# Altium PCB SAMA5D27-SOM1-MFG-03.PcbDoc (part 3 of 6) (continued)
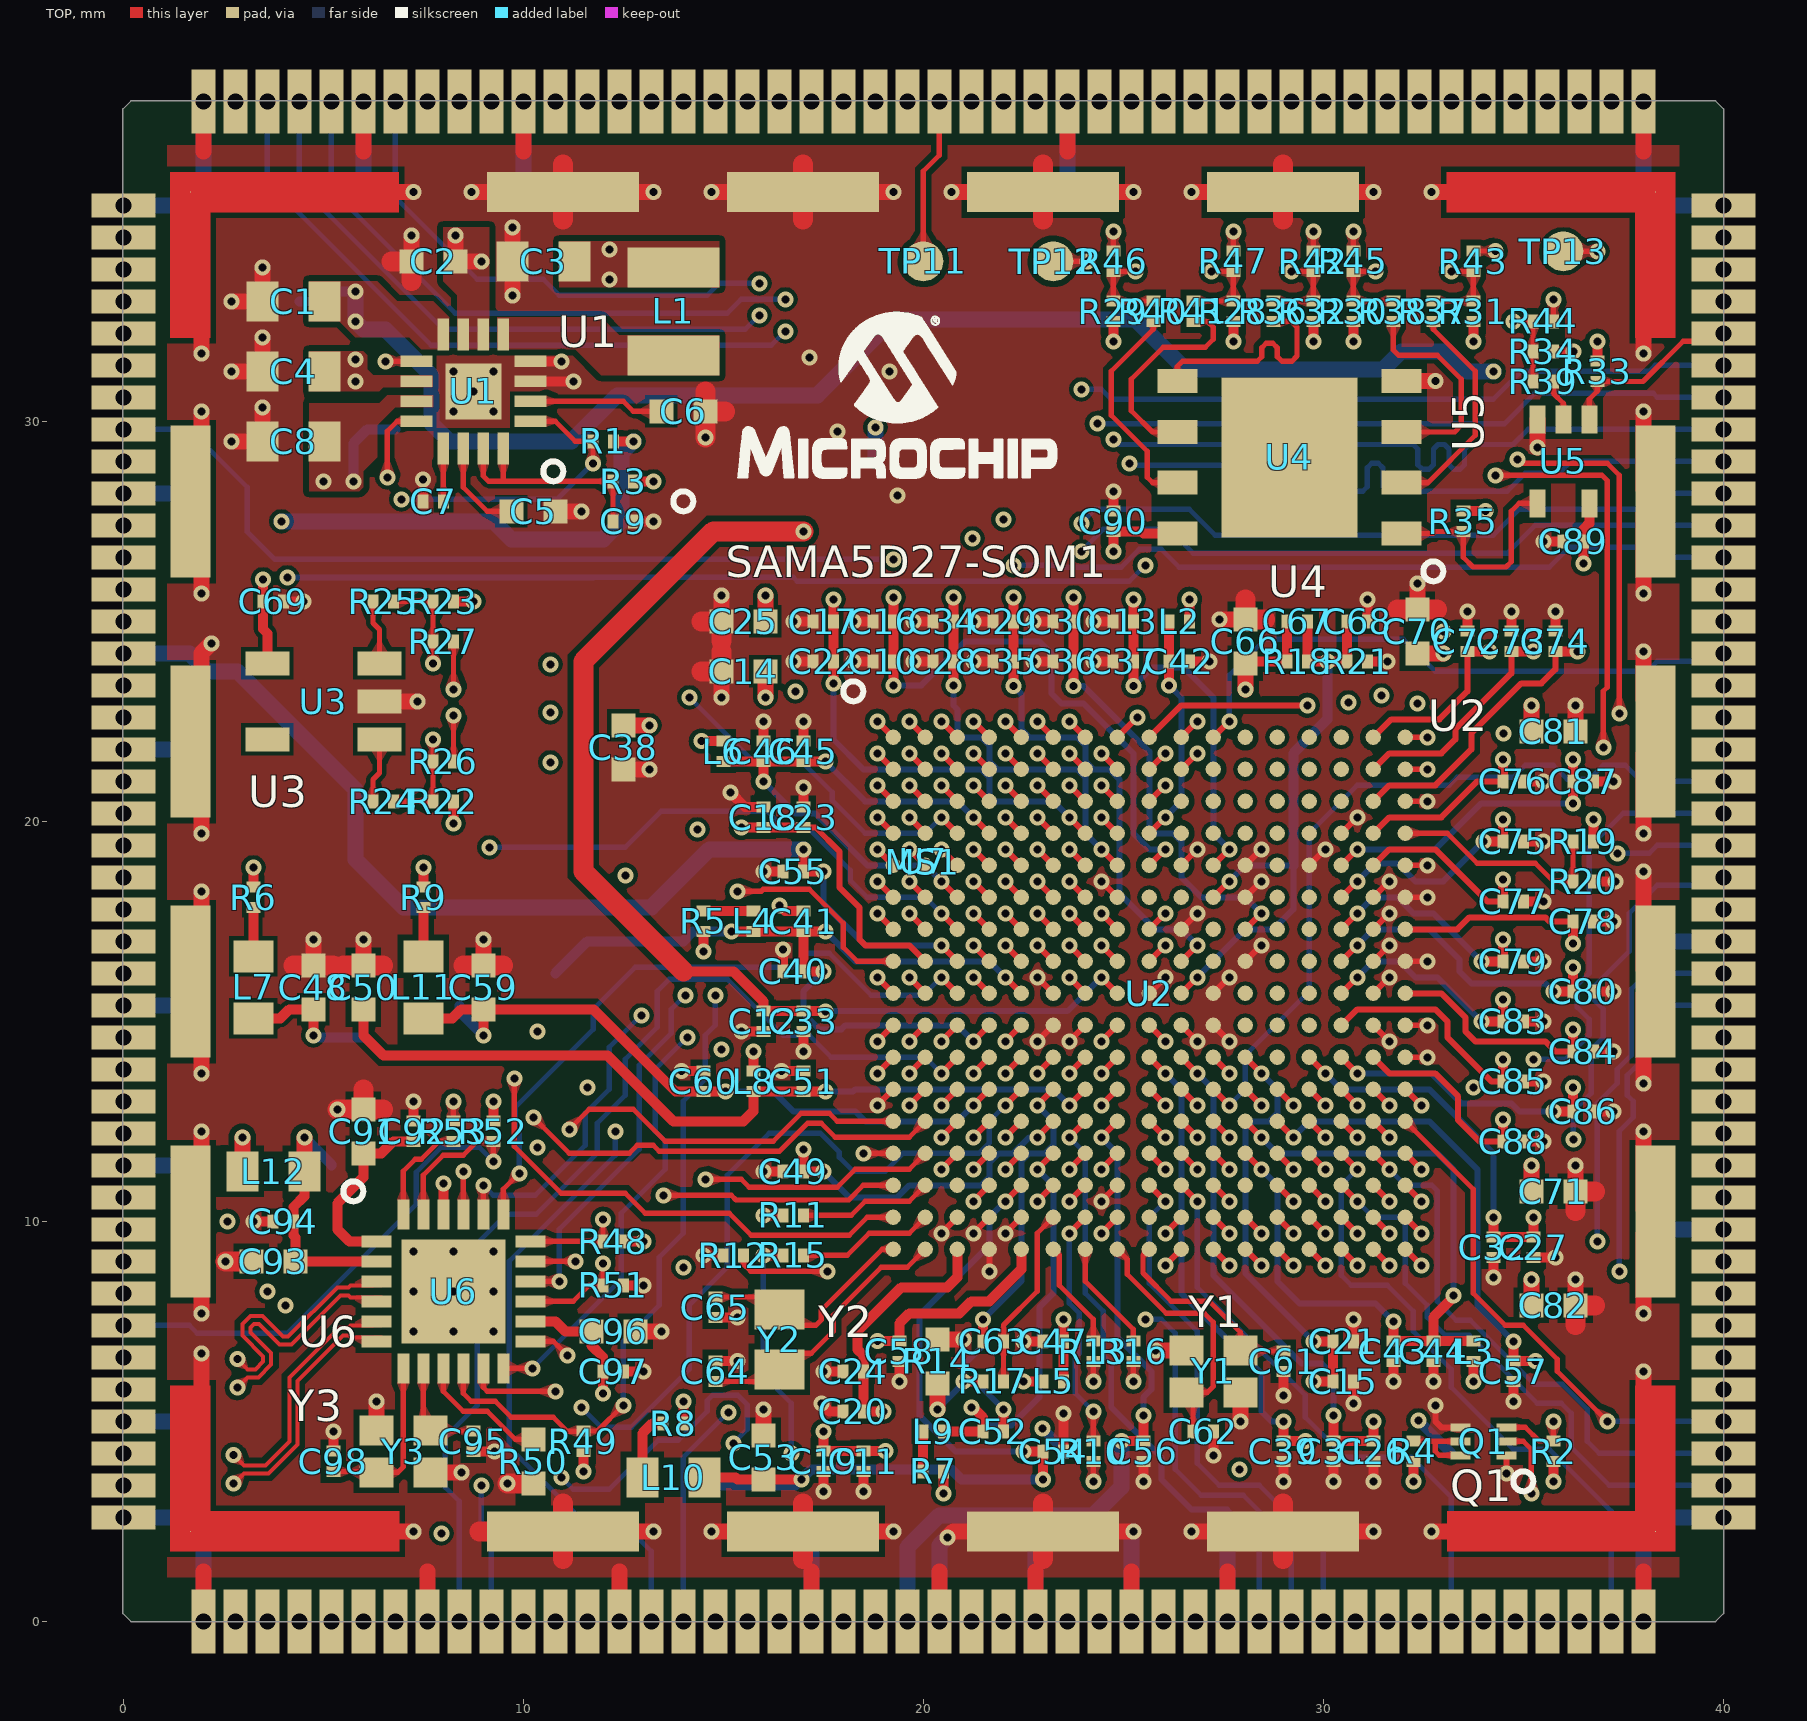
[diagram p0: TOP view]
## Nets (pads, with @x,y where several pads share a name; then routed paths per layer and width w, separated by ;. In a path a pad name is that pad's centre, name@x,y a point inside that pad or via, vN(x,y) a via of type N, cw(c..) or ccw(c..) an arc to the next point about the centre after c; other vN are vias at no path point) (continued)
  BOTTOM w0.25: v1(5.75,28.5) 5.75,29.45 6.1,29.8 TP1.1@6.8,29.8
  other v1: 5,28.5
VDDFUSE: C1.1 C57.2 TP5.1 U1.8 U2.N13 | length 77.9
  TOP w0.15: U2.N13@28.85,12.5 v1(29.25,12.1)
  TOP w0.25: v1(34.75,7) C57.2@34.75,6.505 v1(35.3,6.505)
  PWR w0.4: v1(34.25,31.25) 34.6,30.9 38.233,30.9 38.633,30.5 38.633,7.283 38.35,7 37.05,7 36.555,6.505 v1(35.3,6.505)
  BOTTOM w0.15: v1(29.25,12.1) 29.65,12.5 32.65,12.5 33.85,11.3 33.85,7.9 v1(34.75,7)
  BOTTOM w0.25: TP5.1@4.4,33 5.1,33 5.35,33.25 v1(5.8,33.25)
  BOTTOM w0.4: v1(5.8,33.25) v1(5.8,32.5) 6,32.3 6.55,32.3 7.7,31.15 7.7,29.95 8.15,29.5 11.2,29.5 12.35,30.65 17.35,30.65 19.25,32.55 25.3,32.55 26.55,31.3 31.5,31.3 31.95,31.75 33.1,31.75 33.6,31.25 v1(34.25,31.25)
VDDHSIC: C47.2 L5.2 TP4.1 U2.R7 | length 17
  TOP w0.15: v1(23.65,10.5) U2.R7@24.05,10.9
  TOP w0.25: L5.2@23.505,6 C47.2@23.505,7 v1(23.505,7.55)
  IN2 w0.15: v1(23.505,7.55) 23.505,8.755 24.05,9.3 24.05,10.1 v1(23.65,10.5)
  IN3 w0.25: v1(23.505,7.55) 24.7,7.55 25.2,8.05 27.9,8.05 29.4,6.55 29.9,6.55 30.5,5.95 31.1,5.95 32.025,5.025 v1(32.375,5.025)
  BOTTOM w0.25: v1(32.375,5.025) TP4.1@33.2,4.2
VDDIN_3V3: C2.2 C38.2 C69.2 C89.2 C90.2 C96.2 C97.2 L2.1 L3.1 L6.1 L12.2 R2.2 R3.1 R5.1 R6.1 R7.1 R9.1 R22.2 R23.2 R28.2 R29.2 R30.2 R31.2 R32.2 R33.1 R34.2 R35.2 R48.2 R49.2 R52.2 U1.6 U1.7 U3.4 U4.8 U5.5 U6.14 U7.16 U7.17 | length 25.9
  TOP w0.25: R6.1@3.25,18.355 v1(3.25,18.85) ; v1(3.495,26.05) 3.495,24.805 3.605,24.695 U3.4@3.605,23.95 ; R9.1@7.5,18.355 v1(7.5,18.85) ; v1(8.255,19.95) R22.2@8.255,20.5 ; R23.2@8.255,25.5 v1(8.75,25.5) ; R52.2@9.25,12.505 v1(9.25,13) ; U6.14@10.175,7.5 10.8,7.5 11.05,7.25 C96.2@11.7,7.25 11.7,6.9 11.995,6.605 v1(11.995,5.7) ; v1(11.5,3.75) R49.2@11.5,4.245 ; R48.2@12.505,9.5 v1(13,9.5) ; R3.1@12.755,28.5 v1(13.25,28.5) ; v1(14.45,22.005) L6.1@15,22.005 ; v1(14.5,16.75) R5.1@14.5,17.245 ; v1(20.505,3.2) R7.1@20.505,3.75 ; v1(24.75,26.75) C90.2@24.75,27.245 25.455,27.245 25.505,27.195 U4.8@26.35,27.195 ; v1(24.75,32) R29.2@24.75,32.495 ; L2.1@26.655,25 v1(26.655,25.55) ; v1(27.75,32) R28.2@27.75,32.495 ; v1(29.75,32) R32.2@29.75,32.495 ; v1(30.75,32) R30.2@30.75,32.495 ; R35.2@33.5,27.755 v1(34.05,27.755) ; v1(33.75,6) L3.1@33.75,6.495 ; v1(33.75,32) R31.2@33.75,32.495 ; v1(35.75,3.5) R2.2@35.75,3.995 ; R34.2@35.755,31.75 v1(36.25,31.75) ; v1(36.505,26.45) 36.505,27.305 36.65,27.45 U5.5@36.65,27.95 ; R33.1@36.85,31.505 v1(36.85,32)
  TOP w0.4: L12.2@2.975,11.25 v1(2.975,12.1) ; v1(8.3,34.65) C2.2@8.3,34 v1(8.95,34) ; C38.2@12.5,22.4 v1(13.15,22.4)
  PWR w0.4: U7.17@0,22.6 1.4,22.6 ; U7.16@0,23.4 1.4,23.4
VDDIODDR: C3.2 C4.2 C12.2 C13.2 C25.2 C26.2 C27.2 C28.2 C29.2 C30.2 C31.2 C32.2 C33.2 C34.2 C35.2 C36.2 C37.2 C66.2 C67.2 C70.2 C71.2 C72.2 C73.2 C74.2 C75.2 C76.2 C77.2 C78.2 C79.2 C80.2 C81.2 C82.2 C83.2 C84.2 C85.2 C86.2 C87.2 C88.2 L1.2 R18.2 R19.2 TP2.1 U1.9 U1.10 U2.A16 U2.B16 U2.C16 U2.D16 U2.E8 U2.E11 U2.E15 U2.E16 U2.F15 U2.G12 U2.G15 U2.G17 U2.H10 U2.H15 U2.J8 U2.J15 U2.J17 U2.K15 U2.L10 U2.L14 U2.L15 U2.L16 | length 196.2
  TOP w0.13: v1(6.55,31.5) U1.9@7.325,31.5
  TOP w0.15: v1(24.45,16.1) U2.J8@24.85,15.7 ; v1(24.45,19.3) U2.E8@24.85,18.9 ; U2.L10@26.45,14.1 v1(26.85,13.7) ; U2.H10@26.45,16.5 v1(26.85,16.9) ; U2.E11@27.25,18.9 v1(27.65,19.3) ; U2.G12@28.05,17.3 v1(28.45,17.7) ; U2.L14@29.65,14.1 v1(30.05,13.7) ; U2.L15@30.45,14.1 v1(30.85,13.7) ; U2.K15@30.45,14.9 30.85,15.3 32.8,15.3 33.1,15 33.1,14.6 34.2,13.5 C85.2@34.495,13.5 ; U2.J15@30.45,15.7 v1(30.85,16.1) ; U2.H15@30.45,16.5 v1(30.85,16.9) ; U2.G15@30.45,17.3 v1(30.85,17.7) ; U2.F15@30.45,18.1 v1(30.85,18.5) ; U2.E15@30.45,18.9 v1(30.85,19.3) ; U2.L16@31.25,14.1 31.65,13.7 32.795,13.7 33.373,13.123 33.373,12.528 33.9,12 C88.2@34.495,12 ; U2.E16@31.25,18.9 31.65,19.3 32.8,19.3 34.1,18 C77.2@34.495,18 ; U2.D16@31.25,19.7 31.65,20.1 32.95,20.1 33.85,21 C76.2@34.495,21 ; U2.C16@31.25,20.5 31.65,20.9 32.8,20.9 33.7,21.8 33.7,22.2 34.95,23.45 35.45,23.45 35.8,23.8 C74.2@35.8,24.245 ; U2.B16@31.25,21.3 31.65,21.7 32.95,21.7 33.3,22.05 33.3,22.3 34.7,23.7 C73.2@34.7,24.245 ; U2.A16@31.25,22.1 31.7,22.55 32.9,22.55 33.6,23.25 C72.2@33.6,24.245 ; U2.J17@32.05,15.7 32.95,15.7 33.55,15.1 33.55,14.75 33.8,14.5 35.55,14.5 35.8,14.25 C84.2@36.245,14.25 ; U2.G17@32.05,17.3 33.35,17.3 33.65,17.6 35.55,17.6 35.65,17.5 C78.2@36.245,17.5
  TOP w0.25: 14,16.25 15.25,16.25 16,15.5 C12.2@16,15.255 17.545,15.255 v1(17.55,15.25) ; v1(20.755,23.4) v1(20.755,25.6) ; v1(22.255,23.379) v1(22.255,25.6) ; v1(23.755,23.379) v1(23.755,25.6) ; v1(25.255,23.379) v1(25.255,25.55) ; C66.2@28.05,23.95 28.1,24 R18.2@29.095,24 C67.2@29.095,25 ; v1(30.25,5.15) C31.2@30.25,4.505 C26.2@31.25,4.505 v1(31.25,5) ; C72.2@33.6,24.245 v1(34.15,24.245) ; v1(33.95,15) C83.2@34.495,15 v1(34.495,15.55) ; v1(33.95,16.5) C79.2@34.495,16.5 v1(34.495,17.05) ; v1(34,19.5) C75.2@34.495,19.5 v1(34.495,20.05) ; v1(34.25,10.1) C32.2@34.25,9.605 C27.2@35.25,9.605 v1(35.25,10.1) ; C88.2@34.495,12 v1(34.495,12.55) ; C85.2@34.495,13.5 v1(34.495,14.05) ; C77.2@34.495,18 v1(34.495,18.55) ; C76.2@34.495,21 v1(34.495,21.55) ; C73.2@34.7,24.245 v1(35.25,24.245) ; v1(35.75,12.75) C86.2@36.245,12.75 v1(36.245,13.35) ; v1(35.75,15.75) C80.2@36.245,15.75 v1(36.245,16.35) ; C74.2@35.8,24.245 v1(36.35,24.245) ; C84.2@36.245,14.25 v1(36.245,14.8) ; v1(36.245,16.95) C78.2@36.245,17.5 ; v1(36.245,20.45) v1(36.245,21.55) ; R19.2@36.755,19.5 v1(36.755,20.05)
  TOP w0.4: C25.2@16.05,25 v1(16.05,25.65) ; v1(28.05,23.3) C66.2@28.05,23.95 ; C70.2@32.35,24.2 v1(33,24.2) ; C82.2@35.2,7.9 v1(35.2,8.55) ; C71.2@35.2,10.75 v1(35.2,11.4) ; C81.2@35.2,22.25 v1(35.2,22.9)
  TOP w0.5: 14,16.25 11.5,18.75 11.5,24 14.75,27.25 v1(17,27.25)
  IN2 w0.09: v1(6.55,31.5) 6.55,34.65 7.2,35.3 11.15,35.3 v1(12.15,34.3)
  BOTTOM w0.15: v1(17.55,15.25) 17.555,15.255 23.605,15.255 v1(24.45,16.1) ; v1(20.755,23.4) 20.755,22.895 20.85,22.8 20.85,22.25 21,22.1 21.45,22.1 21.65,21.9 21.65,21.5 21.85,21.3 23.85,21.3 24.05,21.1 24.05,19.7 v1(24.45,19.3) ; v1(22.255,23.379) 22.45,23.184 22.45,22.3 22.65,22.1 23.85,22.1 24.05,21.9 24.05,21.5 24.25,21.3 24.65,21.3 24.9,21.05 24.9,18.2 25.8,17.3 26.45,17.3 v1(26.85,16.9) ; v1(23.755,23.379) 24.013,23.379 25.65,21.741 25.65,19.85 25.8,19.7 26.25,19.7 26.45,19.5 26.45,18.6 26.95,18.1 28.05,18.1 v1(28.45,17.7) ; v1(25.255,23.379) 25.726,23.85 26.5,23.85 27.25,23.1 27.25,19.7 v1(27.65,19.3) ; v1(26.85,13.7) 27.25,13.3 27.25,8.65 29.45,6.45 29.95,6.45 30.25,6.15 v1(30.25,5.15) ; v1(30.05,13.7) 30.45,13.3 32.65,13.3 34.25,11.7 v1(34.25,10.1) ; v1(30.85,13.7) 32.7,13.7 33.45,12.95 34.7,12.95 34.9,12.75 v1(35.75,12.75) ; v1(30.85,16.1) 31.25,16.5 31.9,16.5 32.3,16.1 32.85,16.1 v1(33.95,15) ; v1(30.85,16.9) 31.25,17.3 32.65,17.3 33.4,16.55 33.4,16.25 33.55,16.1 33.7,15.95 34.495,15.95 35.55,15.95 v1(35.75,15.75) ; v1(30.85,17.7) 31.25,18.1 31.85,18.1 32.25,17.7 32.75,17.7 v1(33.95,16.5) ; v1(30.85,18.5) 31.25,18.9 31.3,18.95 31.85,18.95 32.3,18.5 33,18.5 v1(34,19.5) ; v1(30.85,19.3) 32.8,19.3 33.95,20.45 v1(36.245,20.45)
  BOTTOM w0.4: TP2.1@18.8,29 v1(18.8,29.85)
  other v1: 5.8,31 5.8,31.55 12.15,33.55
VDDIOP0: C45.2 C46.2 L6.2 U2.D4 U2.F3 | length 13.9
  TOP w0.15: v1(20.45,18.5) U2.F3@20.85,18.1 ; v1(21.25,20.1) U2.D4@21.65,19.7
  TOP w0.25: L6.2@15,21.495 C46.2@16,21.495 ; v1(16,21) C46.2@16,21.495 ; v1(17.55,21.495) C45.2@17,21.495 C46.2@16,21.495
  BOTTOM w0.15: v1(16,21) 16.8,20.2 17.3,20.2 18.6,18.9 20.05,18.9 v1(20.45,18.5) ; v1(17.55,21.495) 18.545,20.5 20.85,20.5 v1(21.25,20.1)
VDDIOP1: C43.2 C44.2 L3.2 U2.N12 U2.P12 | length 19.5
  TOP w0.15: U2.P12@28.05,11.7 v1(28.45,11.3) ; U2.N12@28.05,12.5 v1(28.45,12.1)
  TOP w0.25: v1(31.75,7.5) C43.2@31.75,7.005 C44.2@32.75,7.005 ; v1(33.25,8.15) 33.25,8.1 32.75,7.6 C44.2@32.75,7.005 ; L3.2@33.75,7.005 C44.2@32.75,7.005
  BOTTOM w0.15: v1(28.45,11.3) 28.85,10.9 28.85,8.5 29.4,7.95 31.3,7.95 v1(31.75,7.5) ; v1(28.45,12.1) 28.85,11.7 32.85,11.7 33.25,11.3 v1(33.25,8.15)
VDDIOP2: C42.2 L2.2 U2.D9 | length 5.8
  TOP w0.15: U2.D9@25.65,19.7 v1(26.05,20.1)
  TOP w0.25: v1(26.145,23.4) C42.2@26.145,24 L2.2@26.145,25
  BOTTOM w0.15: v1(26.05,20.1) 26.45,20.5 26.45,23.095 v1(26.145,23.4)
VDDISC: C55.2 U2.H3 U7.15 | length 27.1
  TOP w0.15: v1(20.45,16.9) U2.H3@20.85,16.5
  TOP w0.25: v1(17.005,19.3) C55.2@17.005,18.75 v1(17.5,18.75)
  BOTTOM w0.15: v1(17.5,18.75) 17.5,17.95 18.55,16.9 v1(20.45,16.9)
  BOTTOM w0.4: U7.15@0,24.2 1.65,24.2 2.1,23.75 2.85,23.75 5.8,20.8 5.8,19.05 7,17.85 13.2,17.85 14.65,19.3 v1(17.005,19.3)
VDDOSC: C48.2 C49.2 L7.2 TP6.1 U2.N6 | length 25.9
  TOP w0.15: v1(22.85,12.1) U2.N6@23.25,12.5
  TOP w0.25: L7.2@3.25,15.075 3.925,15.075 4.15,15.3 C48.2@4.75,15.3 v1(4.75,14.65) ; v1(17.005,11.8) C49.2@17.005,11.25 v1(17.5,11.25)
  IN3 w0.25: v1(4.75,14.65) 8.2,14.65 9.1,15.55 10.9,15.55 11.45,15 11.45,14.7 14.35,11.8 v1(17.005,11.8)
  BOTTOM w0.15: v1(17.5,11.25) 18.15,10.6 19.35,10.6 19.65,10.9 21.45,10.9 21.65,11.1 21.65,11.459 21.891,11.7 22.25,11.7 22.65,12.1 v1(22.85,12.1)
  BOTTOM w0.25: v1(4.75,14.65) 4.8,14.6 TP6.1@6,14.6
VDDPLLA: C53.2 C54.2 L10.2 TP7.1 U2.R5 | length 21.9
  TOP w0.15: v1(22.05,10.5) U2.R5@22.45,10.9
  TOP w0.25: L10.2@14.525,3.6 15.3,3.6 15.35,3.55 C53.2@16,3.55 v1(16.95,3.55) ; v1(22.5,4.25) C54.2@22.995,4.25 v1(22.995,3.55)
  BOTTOM w0.15: v1(22.05,10.5) 21.65,10.1 21.65,9.4 19.9,7.65 19.9,5.15 20.8,4.25 v1(22.5,4.25)
  BOTTOM w0.25: TP7.1@14.8,3.4 16.8,3.4 v1(16.95,3.55) 17.2,3.8 20.7,3.8 20.95,3.55 v1(22.995,3.55)
VDDSDHC: C56.2 U2.N8 U7.65 | length 18.3
  TOP w0.15: v1(24.45,12.1) U2.N8@24.85,12.5
  TOP w0.25: v1(24.95,4.505) C56.2@25.5,4.505 v1(25.5,5.15)
  BOTTOM w0.15: v1(24.45,12.1) 24.85,11.7 24.85,7.1 25.7,6.25 25.7,5.8 25.5,5.6 v1(25.5,5.15)
  BOTTOM w0.4: U7.65@19.6,0 19.6,1.85 20.4,2.65 24.25,2.65 24.95,3.35 v1(24.95,4.505)
VDDUTMIC: C50.2 C51.2 L8.2 U2.M7 | length 20.5
  TOP w0.15: v1(23.65,12.9) U2.M7@24.05,13.3
  TOP w0.25: C50.2@6,15.3 6,14.65 6.5,14.15 12.1,14.15 13.75,12.5 15.5,12.5 15.75,12.75 L8.2@15.75,13.245 C51.2@17,13.245 v1(17.55,13.245)
  BOTTOM w0.15: v1(17.55,13.245) 18.245,13.245 18.3,13.3 23.25,13.3 v1(23.65,12.9)
VDDUTMII: C52.2 L9.2 TP8.1 U2.P6 | length 13.4
  TOP w0.15: v1(22.85,11.3) U2.P6@23.25,11.7
  TOP w0.25: L9.2@20.505,4.75 C52.2@21.495,4.75 21.495,5.1 21.245,5.35 v1(21.2,5.35)
  IN3 w0.25: v1(21.2,5.35) 21.725,4.825 v1(22.975,4.825)
  BOTTOM w0.15: v1(21.2,5.35) 21.65,4.9 22.2,4.9 22.9,5.6 22.9,7.85 23.25,8.2 23.25,10.9 v1(22.85,11.3)
  BOTTOM w0.25: v1(22.975,4.825) TP8.1@23.6,4.2
WKUP: R11.1 U7.49 | length 16.9
  TOP w0.13: v1(16,10.15) R11.1@16.495,10.15
  IN3 w0.09: U7.49@6.8,0 6.8,1.25 7.15,1.6 8.5,1.6 9.5,2.6 10.9,2.6 13.125,4.825 13.125,5.725 14.5,7.1 15.4,7.1 16.4,8.1 16.4,9.75 v1(16,10.15)
pads on no net: U2.A12 U2.A13 U2.A14 U2.A15 U2.B11 U2.B12 U2.B13 U2.B14 U2.B15 U2.C10 U2.C11 U2.C12 U2.C13 U2.C14 U2.C15 U2.D10 U2.D11 U2.D12 U2.D13 U2.D14 U2.E13 U2.F9 U2.F10 U2.F13 U2.F14 U2.G11 U2.G13 U2.G14 U2.H11 U2.H13 U2.H14 U2.J12 U2.J13 U2.J14 U2.K12 U2.K13 U2.K14 U2.L13 U2.R3 U2.R12 U2.T9 U3.5 U4.9

## Polygon pours and split planes (outlines as drawn)
no net on Top Overlay (solid, remove dead copper, pour order 2220): 1.609,36.9 ccw(c1.05,36.9) 1.05,37.459 ccw(c1.05,36.9) 0.491,36.9 ccw(c1.05,36.9) 1.05,36.341 ccw(c1.05,36.9) 1.609,36.9
RFU1 on TOP "TOP-RFU1" (solid, remove dead copper, pour order 1622): 35 vertices, not listed, extent 23.658,33.813 24.116,34.187
RFU1 on TOP "TOP-RFU1 1" (solid, remove dead copper, pour order 1704): 32 vertices, not listed, extent 23.234,33.665 24.015,34.335
PD22/EEPROM_TWCK_PD22 on TOP "TOP-PD22/EEPROM_TWCK_PD22" (solid, remove dead copper, pour order 1646): 35 vertices, not listed, extent 8.068,22.208 8.442,22.666
PD22/EEPROM_TWCK_PD22 on TOP "TOP-PD22/EEPROM_TWCK_PD22 1" (solid, remove dead copper, pour order 1514): 29 vertices, not listed, extent 8.115,21.484 8.395,21.935
COMPN on TOP "TOP-COMPN" (solid, remove dead copper, pour order 1639): 35 vertices, not listed, extent 25.063,5.984 25.437,6.442
COMPN on TOP "TOP-COMPN 1" (solid, remove dead copper, pour order 1593): 26 vertices, not listed, extent 25.075,6.1 25.425,6.511
COMPP on TOP "TOP-COMPP" (solid, remove dead copper, pour order 1642): 35 vertices, not listed, extent 24.063,5.984 24.437,6.442
COMPP on TOP "TOP-COMPP 1" (solid, remove dead copper, pour order 1594): 26 vertices, not listed, extent 24.075,6.1 24.425,6.511
N475155 on TOP "TOP-N475155" (solid, remove dead copper, pour order 1497): 28 vertices, not listed, extent 36.105,19.092 36.385,19.516
N475155 on TOP "TOP-N475155 1" (solid, remove dead copper, pour order 1517): 29 vertices, not listed, extent 36.105,18.484 36.385,18.935
N475155 on TOP "TOP-N475155 2" (solid, remove dead copper, pour order 1583): 26 vertices, not listed, extent 35.85,18.325 36.261,18.675
N475155 on TOP "TOP-N475155 3" (solid, remove dead copper, pour order 1609): 36 vertices, not listed, extent 32.034,19.521 32.489,19.879
PIOBU2 on TOP "TOP-PIOBU2" (solid, remove dead copper, pour order 1632): 35 vertices, not listed, extent 14.534,10.863 14.992,11.237
PIOBU2 on TOP "TOP-PIOBU2 1" (solid, remove dead copper, pour order 1606): 36 vertices, not listed, extent 19.72,11.37 20.132,11.782
PD26/AD7 on TOP "TOP-PD26/AD7" (solid, remove dead copper, pour order 1626): 35 vertices, not listed, extent 13.484,10.463 13.942,10.837
PD26/AD7 on TOP "TOP-PD26/AD7 1" (solid, remove dead copper, pour order 1611): 36 vertices, not listed, extent 18.811,10.721 19.266,11.079
WKUP on TOP "TOP-WKUP" (solid, remove dead copper, pour order 1649): 35 vertices, not listed, extent 15.984,9.963 16.442,10.337
WKUP on TOP "TOP-WKUP 1" (solid, remove dead copper, pour order 1574): 26 vertices, not listed, extent 16.1,9.975 16.511,10.325
EN_FUSE on TOP "TOP-EN_FUSE" (solid, remove dead copper, pour order 1662): 29 vertices, not listed, extent 9.36,28.665 9.64,29.341
EN_FUSE on TOP "TOP-EN_FUSE 1" (solid, remove dead copper, pour order 1658): 29 vertices, not listed, extent 8.86,28.665 9.14,29.341
EN_FUSE on TOP "TOP-EN_FUSE 2" (solid, remove dead copper, pour order 1498): 28 vertices, not listed, extent 12.105,27.484 12.385,27.908
EN_FUSE on TOP "TOP-EN_FUSE 3" (solid, remove dead copper, pour order 1534): 29 vertices, not listed, extent 12.105,28.065 12.385,28.516
EN_FUSE on TOP "TOP-EN_FUSE 4" (solid, remove dead copper, pour order 1575): 26 vertices, not listed, extent 11.85,28.325 12.261,28.675
SHDN on TOP "TOP-SHDN" (solid, remove dead copper, pour order 1621): 35 vertices, not listed, extent 35.013,3.184 35.387,3.642
SHDN on TOP "TOP-SHDN 1" (solid, remove dead copper, pour order 1487): 28 vertices, not listed, extent 34.559,4.4 35.02,4.6
SHDN on TOP "TOP-SHDN 2" (solid, remove dead copper, pour order 1628): 35 vertices, not listed, extent 15.984,8.963 16.442,9.337
SHDN on TOP "TOP-SHDN 3" (solid, remove dead copper, pour order 1563): 26 vertices, not listed, extent 16.1,8.975 16.511,9.325
N96789 on TOP "TOP-N96789" (solid, remove dead copper, pour order 1488): 28 vertices, not listed, extent 32.98,4.4 33.441,4.6
N96789 on TOP "TOP-N96789 1" (solid, remove dead copper, pour order 1512): 29 vertices, not listed, extent 32.234,4.365 32.683,4.645
N96789 on TOP "TOP-N96789 2" (solid, remove dead copper, pour order 1486): 28 vertices, not listed, extent 32.98,4.05 33.441,4.25
VDDFUSE on TOP "TOP-VDDFUSE" (solid, remove dead copper, pour order 1720): 8.15,32.6 8.15,31.8 7.45,31.8 7.15,32.1 5.8,32.1 5.4,32.5 4.65,32.5 4.65,33.5 6.35,33.5 6.85,33 7.75,33 8.15,32.6
N60658 on TOP "TOP-N60658" (solid, remove dead copper, pour order 1723): 24 vertices, not listed, extent 9.35,31.15 14.9,32.6
NRST on TOP "TOP-NRST" (solid, remove dead copper, pour order 1627): 35 vertices, not listed, extent 8.063,12.558 8.437,13.016
NRST on TOP "TOP-NRST 1" (solid, remove dead copper, pour order 1588): 26 vertices, not listed, extent 8.075,12.489 8.425,12.9
NRST on TOP "TOP-NRST 2" (solid, remove dead copper, pour order 1637): 35 vertices, not listed, extent 6.413,28.584 6.787,29.042
NRST on TOP "TOP-NRST 3" (solid, remove dead copper, pour order 1555): 22 vertices, not listed, extent 6.785,29.868 7.341,30.132
NRST on TOP "TOP-NRST 4" (solid, remove dead copper, pour order 1595): 26 vertices, not listed, extent 24.075,3.6 24.425,4.011
NRST on TOP "TOP-NRST 5" (solid, remove dead copper, pour order 1641): 35 vertices, not listed, extent 24.063,3.484 24.437,3.942
NRST on TOP "TOP-NRST 6" (solid, remove dead copper, pour order 1485): 28 vertices, not listed, extent 34.559,4.75 35.02,4.95
NRST on TOP "TOP-NRST 7" (solid, remove dead copper, pour order 1625): 35 vertices, not listed, extent 35.563,4.558 35.937,5.016
VDDCORE on TOP "TOP-VDDCORE" (solid, remove dead copper, pour order 1721): 4.65,28.25 4.65,30.45 6.4,30.45 6.6,30.65 7.75,30.65 7.75,30.35 6.8,30.35 6.35,29.9 6.35,29.1 6,28.75 6,28.35 5.9,28.25 4.65,28.25
N60152 on TOP "TOP-N60152" (solid, remove dead copper, pour order 1661): 29 vertices, not listed, extent 7.86,28.665 8.14,29.341
N60152 on TOP "TOP-N60152 1" (solid, remove dead copper, pour order 1511): 29 vertices, not listed, extent 7.865,27.984 8.145,28.433
RFU2 on TOP "TOP-RFU2" (solid, remove dead copper, pour order 1703): 32 vertices, not listed, extent 19.665,33.984 20.335,34.765
N60145 on TOP "TOP-N60145" (solid, remove dead copper, pour order 1656): 29 vertices, not listed, extent 10.159,30.36 10.835,30.64
N60145 on TOP "TOP-N60145 1" (solid, remove dead copper, pour order 1684): 27 vertices, not listed, extent 12.885,30.046 13.466,30.454
RFU0 on TOP "TOP-RFU0" (solid, remove dead copper, pour order 1648): 35 vertices, not listed, extent 36.408,34.063 36.866,34.437
RFU0 on TOP "TOP-RFU0 1" (solid, remove dead copper, pour order 1702): 32 vertices, not listed, extent 35.984,33.915 36.765,34.585
N60136 on TOP "TOP-N60136" (solid, remove dead copper, pour order 1685): 27 vertices, not listed, extent 9.135,27.546 9.716,27.954
N60136 on TOP "TOP-N60136 1" (solid, remove dead copper, pour order 1660): 29 vertices, not listed, extent 8.36,28.665 8.64,29.341
ETH_LED0 on TOP "TOP-ETH_LED0" (solid, remove dead copper, pour order 1585): 26 vertices, not listed, extent 9.075,11.6 9.425,12.011
ETH_LED0 on TOP "TOP-ETH_LED0 1" (solid, remove dead copper, pour order 1513): 29 vertices, not listed, extent 8.817,11.855 9.266,12.135
ETH_LED0 on TOP "TOP-ETH_LED0 2" (solid, remove dead copper, pour order 1672): 28 vertices, not listed, extent 7.35,10.159 7.65,10.806
EEPROM_TWD_PD21 on TOP "TOP-EEPROM_TWD_PD21" (solid, remove dead copper, pour order 1596): 33 vertices, not listed, extent 7.565,23.934 7.925,24.329
EEPROM_TWD_PD21 on TOP "TOP-EEPROM_TWD_PD21 1" (solid, remove dead copper, pour order 1507): 28 vertices, not listed, extent 7.605,24.484 7.885,24.908
EEPROM_TWD_PD21 on TOP "TOP-EEPROM_TWD_PD21 2" (solid, remove dead copper, pour order 1547): 29 vertices, not listed, extent 7.605,24.065 7.885,24.516
EEPROM_TWD_PD21 on TOP "TOP-EEPROM_TWD_PD21 3" (solid, remove dead copper, pour order 1579): 26 vertices, not listed, extent 6.739,25.325 7.15,25.675
EEPROM_TWD_PD21 on TOP "TOP-EEPROM_TWD_PD21 4" (solid, remove dead copper, pour order 1541): 29 vertices, not listed, extent 7.605,25.065 7.885,25.516
EEPROM_TWD_PD21 on TOP "TOP-EEPROM_TWD_PD21 5" (solid, remove dead copper, pour order 1590): 26 vertices, not listed, extent 7.35,25.325 7.761,25.675
EEPROM_TWD_PD21 on TOP "TOP-EEPROM_TWD_PD21 6" (solid, remove dead copper, pour order 1618): 35 vertices, not listed, extent 18.484,11.513 18.942,11.887
EEPROM_TWD_PD21 on TOP "TOP-EEPROM_TWD_PD21 7" (solid, remove dead copper, pour order 1612): 36 vertices, not listed, extent 18.811,11.521 19.266,11.879
EEPROM_TWCK_PD22 on TOP "TOP-EEPROM_TWCK_PD22" (solid, remove dead copper, pour order 1597): 33 vertices, not listed, extent 7.565,21.671 7.925,22.066
EEPROM_TWCK_PD22 on TOP "TOP-EEPROM_TWCK_PD22 1" (solid, remove dead copper, pour order 1506): 28 vertices, not listed, extent 7.605,21.092 7.885,21.516
EEPROM_TWCK_PD22 on TOP "TOP-EEPROM_TWCK_PD22 2" (solid, remove dead copper, pour order 1543): 29 vertices, not listed, extent 7.605,21.484 7.885,21.935
EEPROM_TWCK_PD22 on TOP "TOP-EEPROM_TWCK_PD22 3" (solid, remove dead copper, pour order 1565): 26 vertices, not listed, extent 6.739,20.325 7.15,20.675
EEPROM_TWCK_PD22 on TOP "TOP-EEPROM_TWCK_PD22 4" (solid, remove dead copper, pour order 1544): 29 vertices, not listed, extent 7.605,20.484 7.885,20.935
EEPROM_TWCK_PD22 on TOP "TOP-EEPROM_TWCK_PD22 5" (solid, remove dead copper, pour order 1573): 26 vertices, not listed, extent 7.35,20.325 7.761,20.675
PD21/EEPROM_TWD_PD21 on TOP "TOP-PD21/EEPROM_TWD_PD21" (solid, remove dead copper, pour order 1655): 35 vertices, not listed, extent 8.063,23.284 8.437,23.755
PD21/EEPROM_TWD_PD21 on TOP "TOP-PD21/EEPROM_TWD_PD21 1" (solid, remove dead copper, pour order 1518): 29 vertices, not listed, extent 8.115,24.065 8.395,24.516
N84773 on TOP "TOP-N84773" (solid, remove dead copper, pour order 1496): 28 vertices, not listed, extent 7.842,11.855 8.266,12.135
N84773 on TOP "TOP-N84773 1" (solid, remove dead copper, pour order 1677): 28 vertices, not listed, extent 6.85,10.159 7.15,10.806
LOWQ# on TOP "TOP-LOWQ#" (solid, remove dead copper, pour order 1657): 29 vertices, not listed, extent 10.159,29.86 10.835,30.14
LOWQ# on TOP "TOP-LOWQ# 1" (solid, remove dead copper, pour order 1531): 29 vertices, not listed, extent 11.605,29.065 11.885,29.516
LOWQ# on TOP "TOP-LOWQ# 2" (solid, remove dead copper, pour order 1620): 35 vertices, not listed, extent 11.558,28.934 11.932,29.392
PD05/TWCK1/NCS1/PTCROW2 on TOP "TOP-PD05/TWCK1/NCS1/PTCROW2" (solid, remove dead copper, pour order 1617): 35 vertices, not listed, extent 15.334,18.063 15.792,18.437
PD05/TWCK1/NCS1/PTCROW2 on TOP "TOP-PD05/TWCK1/NCS1/PTCROW2 1" (solid, remove dead copper, pour order 1494): 32 vertices, not listed, extent 18.923,16.333 19.266,16.667
N75249 on TOP "TOP-N75249" (solid, remove dead copper, pour order 1686): 27 vertices, not listed, extent 6.201,21.485 6.609,22.066
N75249 on TOP "TOP-N75249 1" (solid, remove dead copper, pour order 1542): 29 vertices, not listed, extent 6.105,20.484 6.385,20.935
PD23/DBGU_RXD on TOP "TOP-PD23/DBGU_RXD" (solid, remove dead copper, pour order 1629): 35 vertices, not listed, extent 9.588,13.133 9.962,13.591
PD23/DBGU_RXD on TOP "TOP-PD23/DBGU_RXD 1" (solid, remove dead copper, pour order 1610): 36 vertices, not listed, extent 18.811,9.921 19.266,10.279
N75160 on TOP "TOP-N75160" (solid, remove dead copper, pour order 1687): 27 vertices, not listed, extent 6.201,23.934 6.609,24.515
N75160 on TOP "TOP-N75160 1" (solid, remove dead copper, pour order 1545): 29 vertices, not listed, extent 6.105,25.065 6.385,25.516
ETH_XO on TOP "TOP-ETH_XO" (solid, remove dead copper, pour order 1546): 29 vertices, not listed, extent 5.234,3.605 5.685,3.885
ETH_XO on TOP "TOP-ETH_XO 1" (solid, remove dead copper, pour order 1674): 28 vertices, not listed, extent 6.85,5.694 7.15,6.341
ETH_XO on TOP "TOP-ETH_XO 2" (solid, remove dead copper, pour order 1693): 27 vertices, not listed, extent 5.635,3.541 6.341,3.934
ETH_XO on TOP "TOP-ETH_XO 3" (solid, remove dead copper, pour order 1663): 24 vertices, not listed, extent 6.309,3.567 6.935,3.883
ETH_XI on TOP "TOP-ETH_XI" (solid, remove dead copper, pour order 1527): 29 vertices, not listed, extent 8.315,4.615 8.766,4.895
ETH_XI on TOP "TOP-ETH_XI 1" (solid, remove dead copper, pour order 1668): 28 vertices, not listed, extent 7.35,5.694 7.65,6.341
ETH_XI on TOP "TOP-ETH_XI 2" (solid, remove dead copper, pour order 1682): 30 vertices, not listed, extent 7.384,4.76 7.704,5.415
ETH_XI on TOP "TOP-ETH_XI 3" (solid, remove dead copper, pour order 1692): 27 vertices, not listed, extent 7.659,4.566 8.365,4.959
RXD on TOP "TOP-RXD" (solid, remove dead copper, pour order 1652): 35 vertices, not listed, extent 10.169,12.269 10.581,12.681
RXD on TOP "TOP-RXD 1" (solid, remove dead copper, pour order 1602): 36 vertices, not listed, extent 19.72,12.17 20.132,12.582
QSPI_CS_PB06 on TOP "TOP-QSPI_CS_PB06" (solid, remove dead copper, pour order 1539): 29 vertices, not listed, extent 35.105,32.065 35.385,32.516

## Text inside footprints (layer, text, board x,y; h text height)
U2: PIN_NUMBER "R11" at 24.456,10.9 h0.64; PIN_NUMBER "U17" at 29.256,9.3 h0.64; PIN_NUMBER "U13" at 26.056,9.3 h0.64; PIN_NUMBER "N7" at 21.764,12.5 h0.64; PIN_NUMBER "U12" at 25.256,9.3 h0.64; PIN_NUMBER "T12" at 25.256,10.1 h0.64; PIN_NUMBER "U16" at 28.456,9.3 h0.64; PIN_NUMBER "U15" at 27.656,9.3 h0.64; PIN_NUMBER "T13" at 26.056,10.1 h0.64; PIN_NUMBER "U14" at 26.856,9.3 h0.64; PIN_NUMBER "T11" at 24.456,10.1 h0.64; PIN_NUMBER "M6" at 20.964,13.3 h0.64; PIN_NUMBER "U11" at 24.456,9.3 h0.64; PIN_NUMBER "P6" at 20.964,11.7 h0.64; PIN_NUMBER "N8" at 22.564,12.5 h0.64; PIN_NUMBER "D17" at 29.256,19.7 h0.64; PIN_NUMBER "P2" at 17.764,11.7 h0.64; PIN_NUMBER "N6" at 20.964,12.5 h0.64; PIN_NUMBER "N3" at 18.564,12.5 h0.64; PIN_NUMBER "N5" at 20.164,12.5 h0.64; PIN_NUMBER "M5" at 20.164,13.3 h0.64; PIN_NUMBER "N4" at 19.364,12.5 h0.64; PIN_NUMBER "P4" at 19.364,11.7 h0.64; PIN_NUMBER "M3" at 18.564,13.3 h0.64; PIN_NUMBER "R1" at 16.964,10.9 h0.64; PIN_NUMBER "L8" at 22.564,14.1 h0.64; PIN_NUMBER "L2" at 17.764,14.1 h0.64; PIN_NUMBER "M9" at 23.364,13.3 h0.64; PIN_NUMBER "M2" at 17.764,13.3 h0.64; PIN_NUMBER "L3" at 18.564,14.1 h0.64; PIN_NUMBER "L7" at 21.764,14.1 h0.64; PIN_NUMBER "M17" at 29.256,13.3 h0.64; PIN_NUMBER "T8" at 22.564,10.1 h0.64; PIN_NUMBER "D9" at 23.364,19.7 h0.64; PIN_NUMBER "P12" at 25.256,11.7 h0.64; PIN_NUMBER "N12" at 25.256,12.5 h0.64; PIN_NUMBER "U10" at 23.656,9.3 h0.64; PIN_NUMBER "D4" at 19.364,19.7 h0.64; PIN_NUMBER "F3" at 18.564,18.1 h0.64; PIN_NUMBER "N13" at 26.056,12.5 h0.64; PIN_NUMBER "T10" at 23.656,10.1 h0.64; PIN_NUMBER "P7" at 21.764,11.7 h0.64; PIN_NUMBER "U3" at 18.564,9.3 h0.64; PIN_NUMBER "H2" at 17.764,16.5 h0.64; PIN_NUMBER "D7" at 21.764,19.7 h0.64; PIN_NUMBER "E9" at 23.364,18.9 h0.64; PIN_NUMBER "L12" at 25.256,14.1 h0.64; PIN_NUMBER "M13" at 26.056,13.3 h0.64; PIN_NUMBER "M11" at 24.456,13.3 h0.64; PIN_NUMBER "P9" at 23.364,11.7 h0.64; PIN_NUMBER "B7" at 21.764,21.3 h0.64; PIN_NUMBER "R15" at 27.656,10.9 h0.64; PIN_NUMBER "N16" at 28.456,12.5 h0.64; PIN_NUMBER "P1" at 16.964,11.7 h0.64; PIN_NUMBER "R14" at 26.856,10.9 h0.64; PIN_NUMBER "R13" at 26.056,10.9 h0.64; PIN_NUMBER "L6" at 20.964,14.1 h0.64; PIN_NUMBER "T16" at 28.456,10.1 h0.64; PIN_NUMBER "T15" at 27.656,10.1 h0.64; PIN_NUMBER "F7" at 21.764,18.1 h0.64; PIN_NUMBER "U5" at 20.164,9.3 h0.64; PIN_NUMBER "B9" at 23.364,21.3 h0.64; PIN_NUMBER "P3" at 18.564,11.7 h0.64; PIN_NUMBER "T17" at 29.256,10.1 h0.64; PIN_NUMBER "F5" at 20.164,18.1 h0.64; PIN_NUMBER "P10" at 23.656,11.7 h0.64; PIN_NUMBER "B10" at 23.656,21.3 h0.64; PIN_NUMBER "P13" at 26.056,11.7 h0.64; PIN_NUMBER "H7" at 21.764,16.5 h0.64; PIN_NUMBER "C7" at 21.764,20.5 h0.64; PIN_NUMBER "H1" at 16.964,16.5 h0.64; PIN_NUMBER "F6" at 20.964,18.1 h0.64; PIN_NUMBER "J1" at 16.964,15.7 h0.64; PIN_NUMBER "D8" at 22.564,19.7 h0.64; PIN_NUMBER "R16" at 28.456,10.9 h0.64; PIN_NUMBER "T1" at 16.964,10.1 h0.64; PIN_NUMBER "P14" at 26.856,11.7 h0.64; PIN_NUMBER "L4" at 19.364,14.1 h0.64; PIN_NUMBER "L5" at 20.164,14.1 h0.64; PIN_NUMBER "T14" at 26.856,10.1 h0.64; PIN_NUMBER "C8" at 22.564,20.5 h0.64; PIN_NUMBER "K3" at 18.564,14.9 h0.64; PIN_NUMBER "E6" at 20.964,18.9 h0.64; PIN_NUMBER "H3" at 18.564,16.5 h0.64; PIN_NUMBER "J2" at 17.764,15.7 h0.64; PIN_NUMBER "P17" at 29.256,11.7 h0.64; PIN_NUMBER "H6" at 20.964,16.5 h0.64; PIN_NUMBER "R17" at 29.256,10.9 h0.64; PIN_NUMBER "B8" at 22.564,21.3 h0.64; PIN_NUMBER "N2" at 17.764,12.5 h0.64; PIN_NUMBER "E7" at 21.764,18.9 h0.64; PIN_NUMBER "D1" at 16.964,19.7 h0.64; PIN_NUMBER "G9" at 23.364,17.3 h0.64; PIN_NUMBER "A11" at 24.456,22.1 h0.64; PIN_NUMBER "C1" at 16.964,20.5 h0.64; PIN_NUMBER "N14" at 26.856,12.5 h0.64; PIN_NUMBER "G6" at 20.964,17.3 h0.64; PIN_NUMBER "G2" at 17.764,17.3 h0.64; PIN_NUMBER "A1" at 16.964,22.1 h0.64; PIN_NUMBER "B1" at 16.964,21.3 h0.64; PIN_NUMBER "A9" at 23.364,22.1 h0.64; PIN_NUMBER "G5" at 20.164,17.3 h0.64; PIN_NUMBER "F1" at 16.964,18.1 h0.64; PIN_NUMBER "G4" at 19.364,17.3 h0.64; PIN_NUMBER "A2" at 17.764,22.1 h0.64; PIN_NUMBER "H4" at 19.364,16.5 h0.64; PIN_NUMBER "H8" at 22.564,16.5 h0.64; PIN_NUMBER "H9" at 23.364,16.5 h0.64; PIN_NUMBER "B2" at 17.764,21.3 h0.64; PIN_NUMBER "G1" at 16.964,17.3 h0.64; PIN_NUMBER "E1" at 16.964,18.9 h0.64; PIN_NUMBER "U4" at 19.364,9.3 h0.64; PIN_NUMBER "T3" at 18.564,10.1 h0.64; PIN_NUMBER "T4" at 19.364,10.1 h0.64; PIN_NUMBER "T5" at 20.164,10.1 h0.64; PIN_NUMBER "R6" at 20.964,10.9 h0.64; PIN_NUMBER "M1" at 16.964,13.3 h0.64; PIN_NUMBER "P5" at 20.164,11.7 h0.64; PIN_NUMBER "K6" at 20.964,14.9 h0.64; PIN_NUMBER "J6" at 20.964,15.7 h0.64; PIN_NUMBER "J11" at 24.456,15.7 h0.64; PIN_NUMBER "K7" at 21.764,14.9 h0.64; PIN_NUMBER "K11" at 24.456,14.9 h0.64; PIN_NUMBER "J9" at 23.364,15.7 h0.64; PIN_NUMBER "K10" at 23.656,14.9 h0.64; PIN_NUMBER "M12" at 25.256,13.3 h0.64; PIN_NUMBER "P11" at 24.456,11.7 h0.64; PIN_NUMBER "R8" at 22.564,10.9 h0.64; PIN_NUMBER "H17" at 29.256,16.5 h0.64; PIN_NUMBER "L17" at 29.256,14.1 h0.64; PIN_NUMBER "J16" at 28.456,15.7 h0.64; PIN_NUMBER "K16" at 28.456,14.9 h0.64; PIN_NUMBER "K17" at 29.256,14.9 h0.64; PIN_NUMBER "M14" at 26.856,13.3 h0.64; PIN_NUMBER "D6" at 20.964,19.7 h0.64; PIN_NUMBER "E3" at 18.564,18.9 h0.64; PIN_NUMBER "F2" at 17.764,18.1 h0.64; PIN_NUMBER "H5" at 20.164,16.5 h0.64; PIN_NUMBER "E12" at 25.256,18.9 h0.64; PIN_NUMBER "F12" at 25.256,18.1 h0.64; PIN_NUMBER "E10" at 23.656,18.9 h0.64; PIN_NUMBER "F8" at 22.564,18.1 h0.64; PIN_NUMBER "G10" at 23.656,17.3 h0.64; PIN_NUMBER "H12" at 25.256,16.5 h0.64; PIN_NUMBER "A17" at 29.256,22.1 h0.64; PIN_NUMBER "B17" at 29.256,21.3 h0.64; PIN_NUMBER "C17" at 29.256,20.5 h0.64; PIN_NUMBER "D15" at 27.656,19.7 h0.64; PIN_NUMBER "E14" at 26.856,18.9 h0.64; PIN_NUMBER "F17" at 29.256,18.1 h0.64; PIN_NUMBER "E17" at 29.256,18.9 h0.64; PIN_NUMBER "F16" at 28.456,18.1 h0.64; PIN_NUMBER "G16" at 28.456,17.3 h0.64; PIN_NUMBER "H16" at 28.456,16.5 h0.64; PIN_NUMBER "M8" at 22.564,13.3 h0.64; PIN_NUMBER "J7" at 21.764,15.7 h0.64; PIN_NUMBER "K1" at 16.964,14.9 h0.64; PIN_NUMBER "K2" at 17.764,14.9 h0.64; PIN_NUMBER "K9" at 23.364,14.9 h0.64; PIN_NUMBER "N1" at 16.964,12.5 h0.64; PIN_NUMBER "K5" at 20.164,14.9 h0.64; PIN_NUMBER "J3" at 18.564,15.7 h0.64; PIN_NUMBER "K8" at 22.564,14.9 h0.64; PIN_NUMBER "L1" at 16.964,14.1 h0.64; PIN_NUMBER "N11" at 24.456,12.5 h0.64; PIN_NUMBER "D5" at 20.164,19.7 h0.64; PIN_NUMBER "E5" at 20.164,18.9 h0.64; PIN_NUMBER "C6" at 20.964,20.5 h0.64; PIN_NUMBER "A8" at 22.564,22.1 h0.64; PIN_NUMBER "J4" at 19.364,15.7 h0.64; PIN_NUMBER "J10" at 23.656,15.7 h0.64; PIN_NUMBER "F11" at 24.456,18.1 h0.64; PIN_NUMBER "A10" at 23.656,22.1 h0.64; PIN_NUMBER "U8" at 22.564,9.3 h0.64; PIN_NUMBER "T6" at 20.964,10.1 h0.64; PIN_NUMBER "R4" at 19.364,10.9 h0.64; PIN_NUMBER "J8" at 22.564,15.7 h0.64; PIN_NUMBER "L10" at 23.656,14.1 h0.64; PIN_NUMBER "J15" at 27.656,15.7 h0.64; PIN_NUMBER "J17" at 29.256,15.7 h0.64; PIN_NUMBER "L14" at 26.856,14.1 h0.64; PIN_NUMBER "L15" at 27.656,14.1 h0.64; PIN_NUMBER "K15" at 27.656,14.9 h0.64; PIN_NUMBER "L16" at 28.456,14.1 h0.64; PIN_NUMBER "G15" at 27.656,17.3 h0.64; PIN_NUMBER "H15" at 27.656,16.5 h0.64; PIN_NUMBER "F15" at 27.656,18.1 h0.64; PIN_NUMBER "E15" at 27.656,18.9 h0.64; PIN_NUMBER "G17" at 29.256,17.3 h0.64; PIN_NUMBER "D16" at 28.456,19.7 h0.64; PIN_NUMBER "E16" at 28.456,18.9 h0.64; PIN_NUMBER "E8" at 22.564,18.9 h0.64; PIN_NUMBER "H10" at 23.656,16.5 h0.64; PIN_NUMBER "G12" at 25.256,17.3 h0.64; PIN_NUMBER "E11" at 24.456,18.9 h0.64; PIN_NUMBER "A16" at 28.456,22.1 h0.64; PIN_NUMBER "C16" at 28.456,20.5 h0.64; PIN_NUMBER "B16" at 28.456,21.3 h0.64; PIN_NUMBER "T2" at 17.764,10.1 h0.64; PIN_NUMBER "R2" at 17.764,10.9 h0.64; PIN_NUMBER "T7" at 21.764,10.1 h0.64; PIN_NUMBER "U7" at 21.764,9.3 h0.64; PIN_NUMBER "U6" at 20.964,9.3 h0.64; PIN_NUMBER "U1" at 16.964,9.3 h0.64; PIN_NUMBER "U9" at 23.364,9.3 h0.64; PIN_NUMBER "N10" at 23.656,12.5 h0.64; PIN_NUMBER "G7" at 21.764,17.3 h0.64; PIN_NUMBER "N15" at 27.656,12.5 h0.64; PIN_NUMBER "M10" at 23.656,13.3 h0.64; PIN_NUMBER "N9" at 23.364,12.5 h0.64; PIN_NUMBER "M15" at 27.656,13.3 h0.64; PIN_NUMBER "L11" at 24.456,14.1 h0.64; PIN_NUMBER "M16" at 28.456,13.3 h0.64; PIN_NUMBER "C2" at 17.764,20.5 h0.64; PIN_NUMBER "G8" at 22.564,17.3 h0.64; PIN_NUMBER "M7" at 21.764,13.3 h0.64; PIN_NUMBER "D2" at 17.764,19.7 h0.64; PIN_NUMBER "L9" at 23.364,14.1 h0.64; PIN_NUMBER "J5" at 20.164,15.7 h0.64; PIN_NUMBER "K4" at 19.364,14.9 h0.64; PIN_NUMBER "F4" at 19.364,18.1 h0.64; PIN_NUMBER "R5" at 20.164,10.9 h0.64; PIN_NUMBER "G3" at 18.564,17.3 h0.64; PIN_NUMBER "A3" at 18.564,22.1 h0.64; PIN_NUMBER "R7" at 21.764,10.9 h0.64; PIN_NUMBER "E2" at 17.764,18.9 h0.64; PIN_NUMBER "B3" at 18.564,21.3 h0.64; PIN_NUMBER "C3" at 18.564,20.5 h0.64; PIN_NUMBER "D3" at 18.564,19.7 h0.64; PIN_NUMBER "A4" at 19.364,22.1 h0.64; PIN_NUMBER "B4" at 19.364,21.3 h0.64; PIN_NUMBER "A5" at 20.164,22.1 h0.64; PIN_NUMBER "C4" at 19.364,20.5 h0.64; PIN_NUMBER "B5" at 20.164,21.3 h0.64; PIN_NUMBER "E4" at 19.364,18.9 h0.64; PIN_NUMBER "A6" at 20.964,22.1 h0.64; PIN_NUMBER "M4" at 19.364,13.3 h0.64; PIN_NUMBER "C5" at 20.164,20.5 h0.64; PIN_NUMBER "B6" at 20.964,21.3 h0.64; PIN_NUMBER "A7" at 21.764,22.1 h0.64; PIN_NUMBER "C9" at 23.364,20.5 h0.64; PIN_NUMBER "P16" at 28.456,11.7 h0.64; PIN_NUMBER "N17" at 29.256,12.5 h0.64; PIN_NUMBER "P15" at 27.656,11.7 h0.64; PIN_NUMBER "R10" at 23.656,10.9 h0.64; PIN_NUMBER "P8" at 22.564,11.7 h0.64; PIN_NUMBER "R9" at 23.364,10.9 h0.64; PIN_NUMBER "R3" at 18.564,10.9 h0.64; PIN_NUMBER "B15" at 27.656,21.3 h0.64; PIN_NUMBER "B14" at 26.856,21.3 h0.64; PIN_NUMBER "B13" at 26.056,21.3 h0.64; PIN_NUMBER "B12" at 25.256,21.3 h0.64; PIN_NUMBER "B11" at 24.456,21.3 h0.64; PIN_NUMBER "T9" at 23.364,10.1 h0.64; PIN_NUMBER "A15" at 27.656,22.1 h0.64; PIN_NUMBER "R12" at 25.256,10.9 h0.64; PIN_NUMBER "L13" at 26.056,14.1 h0.64; PIN_NUMBER "K14" at 26.856,14.9 h0.64; PIN_NUMBER "K13" at 26.056,14.9 h0.64; PIN_NUMBER "K12" at 25.256,14.9 h0.64; PIN_NUMBER "J14" at 26.856,15.7 h0.64; PIN_NUMBER "J13" at 26.056,15.7 h0.64; PIN_NUMBER "J12" at 25.256,15.7 h0.64; PIN_NUMBER "H14" at 26.856,16.5 h0.64; PIN_NUMBER "H13" at 26.056,16.5 h0.64; PIN_NUMBER "A14" at 26.856,22.1 h0.64; PIN_NUMBER "H11" at 24.456,16.5 h0.64; PIN_NUMBER "G14" at 26.856,17.3 h0.64; PIN_NUMBER "G13" at 26.056,17.3 h0.64; PIN_NUMBER "G11" at 24.456,17.3 h0.64; PIN_NUMBER "F14" at 26.856,18.1 h0.64; PIN_NUMBER "F13" at 26.056,18.1 h0.64; PIN_NUMBER "F10" at 23.656,18.1 h0.64; PIN_NUMBER "F9" at 23.364,18.1 h0.64; PIN_NUMBER "E13" at 26.056,18.9 h0.64; PIN_NUMBER "D14" at 26.856,19.7 h0.64; PIN_NUMBER "A13" at 26.056,22.1 h0.64; PIN_NUMBER "D13" at 26.056,19.7 h0.64; PIN_NUMBER "D12" at 25.256,19.7 h0.64; PIN_NUMBER "D11" at 24.456,19.7 h0.64; PIN_NUMBER "D10" at 23.656,19.7 h0.64; PIN_NUMBER "C15" at 27.656,20.5 h0.64; PIN_NUMBER "C14" at 26.856,20.5 h0.64; PIN_NUMBER "C13" at 26.056,20.5 h0.64; PIN_NUMBER "C12" at 25.256,20.5 h0.64; PIN_NUMBER "C11" at 24.456,20.5 h0.64; PIN_NUMBER "C10" at 23.656,20.5 h0.64; PIN_NUMBER "A12" at 25.256,22.1 h0.64; ASSEMBLY_TOP "A" at 18.15,21.9 h0.5; ASSEMBLY_TOP "1" at 19.1,22.8 h0.5
U3: PIN_NUMBER "5" at 3.205,22.05 h0.5 r180; PIN_NUMBER "4" at 3.205,23.95 h0.5 r180; PIN_NUMBER "2" at 6.005,23 h0.5 r180; PIN_NUMBER "3" at 6.005,23.95 h0.5 r180; PIN_NUMBER "1" at 6.005,22.05 h0.5 r180
U4: PIN_NUMBER "9" at 28.642,27.83 h0.64 r90; PIN_NUMBER "6" at 24.562,30.035 h0.64 r180; PIN_NUMBER "7" at 24.562,28.765 h0.64 r180; PIN_NUMBER "3" at 32.312,30.035 h0.64 r180; PIN_NUMBER "5" at 24.562,31.305 h0.64 r180; PIN_NUMBER "2" at 32.312,28.765 h0.64 r180; PIN_NUMBER "8" at 24.562,27.495 h0.64 r180; PIN_NUMBER "1" at 32.312,27.495 h0.64 r180; PIN_NUMBER "4" at 32.312,31.305 h0.64 r180
U5: PIN_NUMBER "5" at 35.875,26.947 h0.64 r270; PIN_NUMBER "4" at 34.475,26.947 h0.64 r270; PIN_NUMBER "2" at 35.274,30.697 h0.64 r270; PIN_NUMBER "3" at 34.475,30.697 h0.64 r270; PIN_NUMBER "1" at 36.124,30.697 h0.64 r270
U6: PIN_NUMBER "6" at 6.071,6.619 h0.64; PIN_NUMBER "5" at 6.071,7.119 h0.64; PIN_NUMBER "4" at 6.071,7.619 h0.64; PIN_NUMBER "3" at 6.071,8.119 h0.64; PIN_NUMBER "14" at 8.905,7.881 h0.64 r180; PIN_NUMBER "16" at 8.905,8.881 h0.64 r180; PIN_NUMBER "2" at 6.071,8.619 h0.64; PIN_NUMBER "21" at 7.484,10.175 h0.64 r270; PIN_NUMBER "20" at 7.984,10.175 h0.64 r270; PIN_NUMBER "19" at 8.484,10.175 h0.64 r270; PIN_NUMBER "12" at 8.484,6.325 h0.64 r90; PIN_NUMBER "13" at 8.905,7.127 h0.64 r180; PIN_NUMBER "17" at 8.905,9.381 h0.64 r180; PIN_NUMBER "15" at 8.905,8.381 h0.64 r180; PIN_NUMBER "11" at 7.984,6.325 h0.64 r90; PIN_NUMBER "10" at 7.484,6.325 h0.64 r90; PIN_NUMBER "18" at 8.905,9.881 h0.64 r180; PIN_NUMBER "22" at 6.984,10.175 h0.64 r270; PIN_NUMBER "25" at 7.734,8 h0.64; PIN_NUMBER "1" at 6.071,9.373 h0.64; PIN_NUMBER "9" at 7.492,6.325 h0.64 r90; PIN_NUMBER "8" at 6.992,6.325 h0.64 r90; PIN_NUMBER "7" at 6.492,6.325 h0.64 r90; PIN_NUMBER "24" at 5.984,10.175 h0.64 r270; PIN_NUMBER "23" at 6.484,10.175 h0.64 r270